# Altium PCB PCB2 - Copy.PcbDoc
Units mm, origin at the board's own origin, x right, y up, seen from the top; angles counter-clockwise.
Board outline 256.79 x 186.69 mm, 2 copper layers (Top Layer, Bottom Layer); 119 components, 100 nets, 416 pads, 0 vias.
Unrouted connection lines stored in the file: 9.
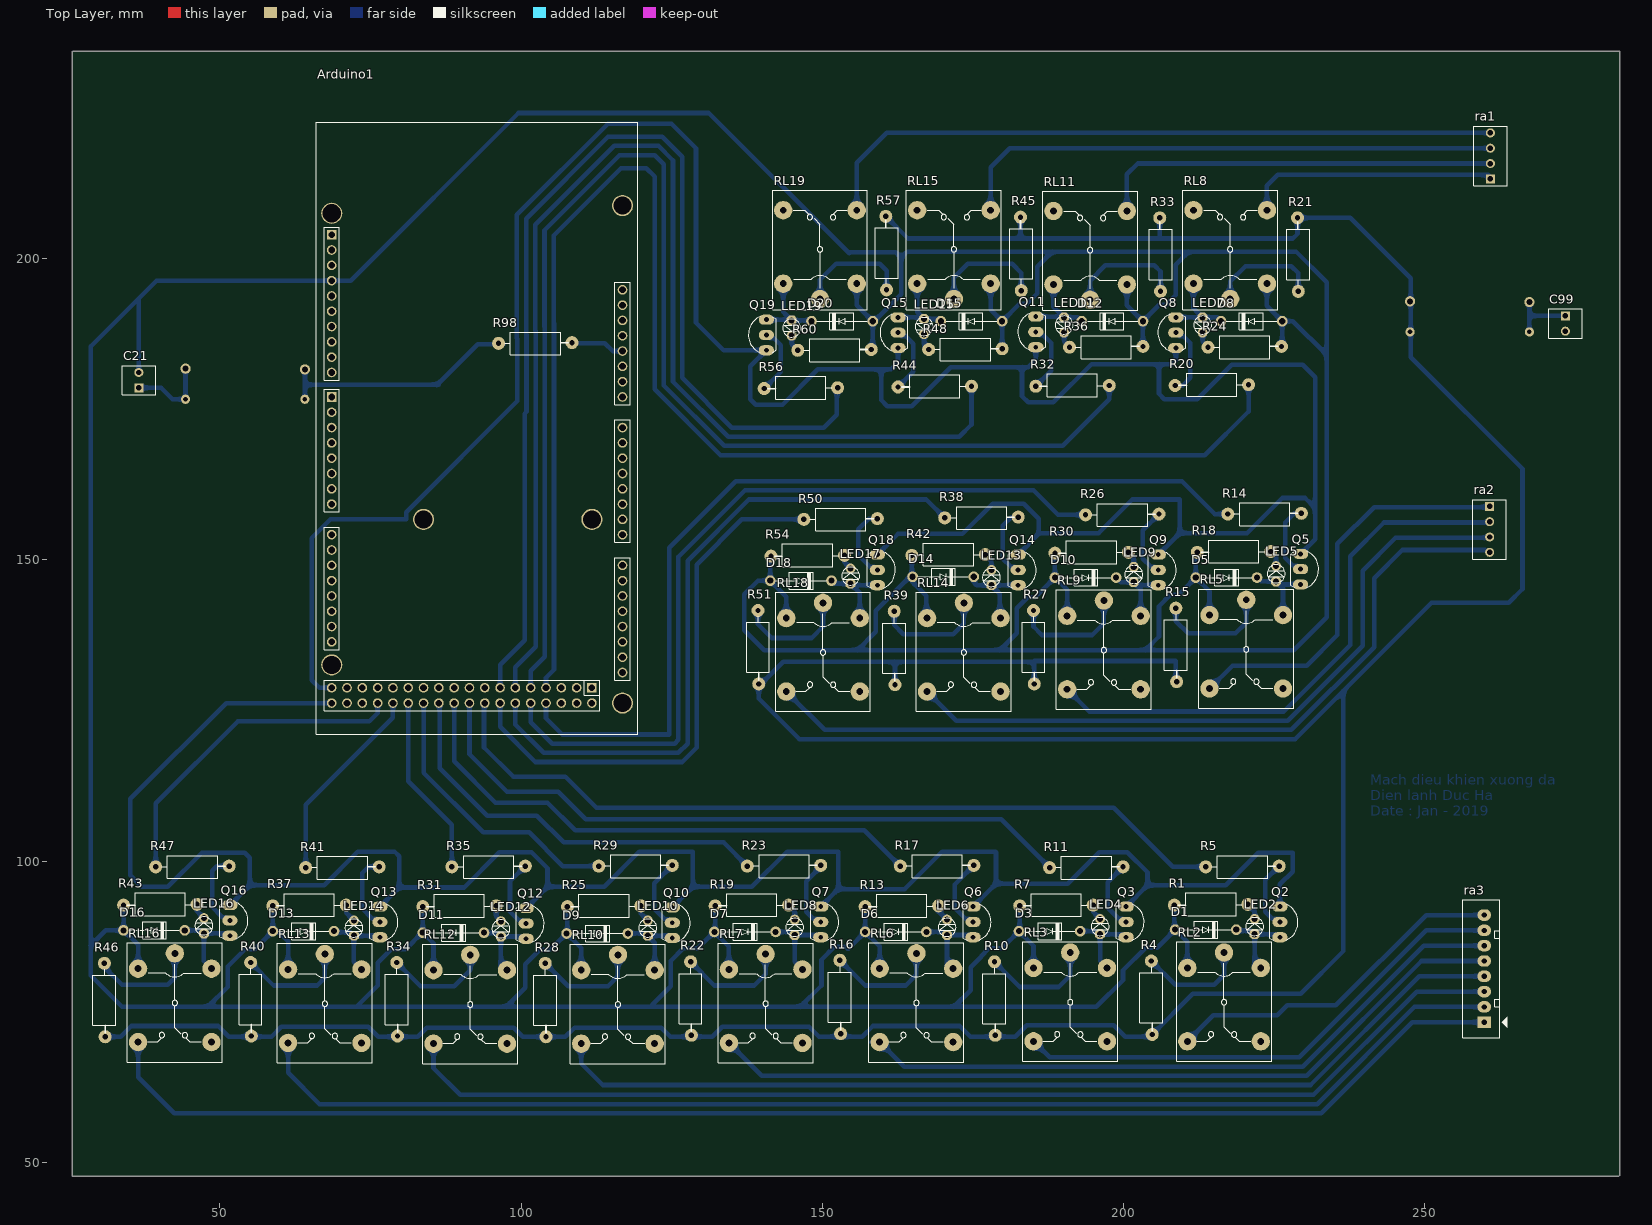
[diagram p0: Top Layer view]
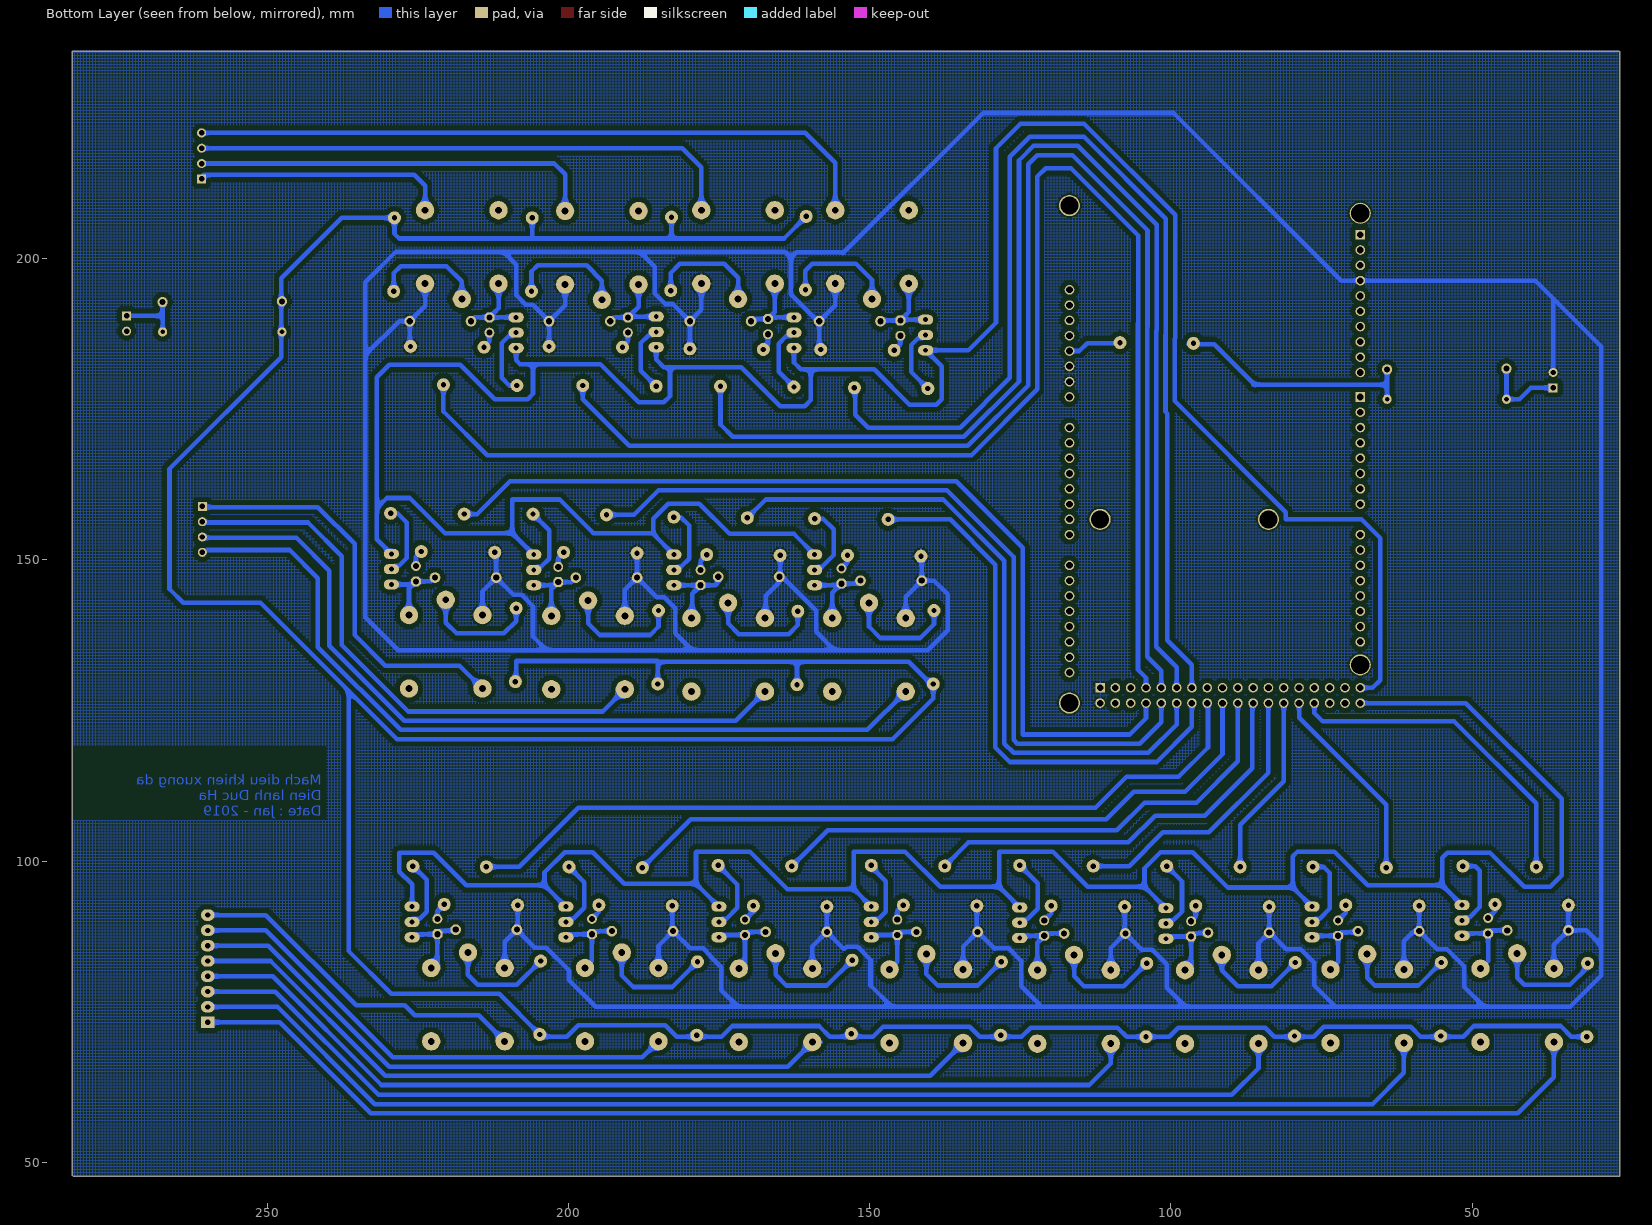
[diagram p1: Bottom Layer view, seen from below]

## Layer stack, top to bottom
Top Solder: solder mask 0.0102, Solder Resist, Dk 3.5
Top Layer: signal copper 0.0356
Dielectric 1: dielectric 0.32, FR-4, Dk 4.8
Bottom Layer: signal copper 0.0356
Bottom Solder: solder mask 0.0102, Solder Resist, Dk 3.5

## Board outline
25.527,47.752 282.194,47.752 282.321,47.879 282.321,234.442 25.654,234.442 25.527,234.315

## Design rules (kind name [scope] priority, off if disabled: settings)
Clearance [All] p1: gap=0.762 ignorepadtopadclearanceinfootprint=FALSE
PolygonConnect [All] p1: connectstyle=Relief reliefconductorwidth=0.254 reliefentries=4 polygonreliefangle="90 Angle" airgapwidth=0.254
RoomDefinition Sheet2 [InComponentClass('Sheet2')] p1: confinementstyle=ConfineIn formatcopy=TRUE lockcomponents=FALSE outline 0,0 50.8,0 50.8,25.4 0,25.4
RoutingLayers [All] p1: top layer_v5=FALSE bottom layer_v5=TRUE
RoutingVias [All] p1: holewidth=0.762 width=2.032 viastyle="Through Hole" minholewidth=0.762 minwidth=2.032 maxholewidth=0.762 maxwidth=2.032
SolderMaskExpansion [All] p1: expansion=0.102
Width [All] p1: maxlimit=0.762 minlimit=0.508 preferedwidth=0.762
29 further rules are at their usual default settings.

## Components (designator, comment, footprint, x,y, rotation, side; value= is the part's Value field where it differs from the comment)
Arduino1 "Arduino Mega2560" "Arduino MEGA2560" 93.345,173.228 r90 top value="Cau 1A"
C21 "Header2" HDR2 36.576,178.562 r90 top
C99 "Header2" HDR2 273.304,190.5 r270 top
D1 "Diode" DIO-1A 208.534,88.646 r0 top value=1N5007
D3 "Diode" DIO-1A 182.626,88.392 r0 top value=1N5007
D5 "Diode" DIO-1A 211.963,147.066 r0 top value=1N5007
D6 "Diode" DIO-1A 157.099,88.265 r0 top value=1N5007
D7 "Diode" DIO-1A 132.08,88.265 r0 top value=1N5007
D8 "Diode" DIO-1A 226.314,189.611 r180 top value=1N5007
D9 "Diode" DIO-1A 107.569,88.011 r0 top value=1N5007
D10 "Diode" DIO-1A 188.595,147.066 r0 top value=1N5007
D11 "Diode" DIO-1A 83.693,88.138 r0 top value=1N5007
D12 "Diode" DIO-1A 203.2,189.611 r180 top value=1N5007
D13 "Diode" DIO-1A 58.801,88.392 r0 top value=1N5007
D14 "Diode" DIO-1A 164.973,147.193 r0 top value=1N5007
D15 "Diode" DIO-1A 179.832,189.611 r180 top value=1N5007
D16 "Diode" DIO-1A 34.036,88.519 r0 top value=1N5007
D18 "Diode" DIO-1A 141.351,146.558 r0 top value=1N5007
D20 "Diode" DIO-1A 158.369,189.611 r180 top value=1N5007
LED2 "LED" LED-3MM-YELLOW 221.742,87.884 r90 top value="LED 3 ly Single Colour"
LED4 "LED" LED-3MM-YELLOW 196.088,87.884 r90 top value="LED 3 ly Single Colour"
LED5 "LED" LED-3MM-YELLOW 225.298,146.431 r90 top value="LED 3 ly Single Colour"
LED6 "LED" LED-3MM-YELLOW 170.688,87.757 r90 top value="LED 3 ly Single Colour"
LED7 "LED" LED-3MM-YELLOW 213.106,190.246 r270 top value="LED 3 ly Single Colour"
LED8 "LED" LED-3MM-YELLOW 145.415,87.757 r90 top value="LED 3 ly Single Colour"
LED9 "LED" LED-3MM-YELLOW 201.676,146.304 r90 top value="LED 3 ly Single Colour"
LED10 "LED" LED-3MM-YELLOW 121.031,87.63 r90 top value="LED 3 ly Single Colour"
LED11 "LED" LED-3MM-YELLOW 190.119,190.246 r270 top value="LED 3 ly Single Colour"
LED12 "LED" LED-3MM-YELLOW 96.647,87.503 r90 top value="LED 3 ly Single Colour"
LED13 "LED" LED-3MM-YELLOW 178.054,145.796 r90 top value="LED 3 ly Single Colour"
LED14 "LED" LED-3MM-YELLOW 72.263,87.63 r90 top value="LED 3 ly Single Colour"
LED15 "LED" LED-3MM-YELLOW 166.878,189.992 r270 top value="LED 3 ly Single Colour"
LED16 "LED" LED-3MM-YELLOW 47.371,88.011 r90 top value="LED 3 ly Single Colour"
LED17 "LED" LED-3MM-YELLOW 154.686,146.05 r90 top value="LED 3 ly Single Colour"
LED19 "LED" LED-3MM-YELLOW 144.907,189.738 r270 top value="LED 3 ly Single Colour"
Q2 "2N3906" TO92-123 225.933,89.916 r270 top value=A1015
Q3 "2N3906" TO92-123 200.406,89.916 r270 top value=A1015
Q5 "2N3906" TO92-123 229.362,148.463 r270 top value=A1015
Q6 "2N3906" TO92-123 175.006,89.916 r270 top value=A1015
Q7 "2N3906" TO92-123 149.733,89.916 r270 top value=A1015
Q8 "2N3906" TO92-123 208.661,187.706 r90 top value=A1015
Q9 "2N3906" TO92-123 205.74,148.336 r270 top value=A1015
Q10 "2N3906" TO92-123 125.095,89.789 r270 top value=A1015
Q11 "2N3906" TO92-123 185.42,187.833 r90 top value=A1015
Q12 "2N3906" TO92-123 100.838,89.662 r270 top value=A1015
Q13 "2N3906" TO92-123 76.581,89.916 r270 top value=A1015
Q14 "2N3906" TO92-123 182.499,148.336 r270 top value=A1015
Q15 "2N3906" TO92-123 162.56,187.706 r90 top value=A1015
Q16 "2N3906" TO92-123 51.689,90.17 r270 top value=A1015
Q18 "2N3906" TO92-123 159.131,148.336 r270 top value=A1015
Q19 "2N3906" TO92-123 140.716,187.325 r90 top value=A1015
R1 "Res" RES-1/2W 213.995,92.837 r0 top
R4 "Cau chi" RES-1/2W 204.597,76.835 r90 top
R5 "Res" RES-1/2W 220.218,99.06 r180 top
R7 "Res" RES-1/2W 188.341,92.71 r0 top
R10 "Cau chi" RES-1/2W 178.562,76.708 r90 top
R11 "Res" RES-1/2W 194.31,98.933 r180 top
R13 "Res" RES-1/2W 162.687,92.583 r0 top
R14 "Res" RES-1/2W 223.901,157.607 r180 top
R15 "Cau chi" RES-1/2W 208.661,135.382 r90 top
R16 "Cau chi" RES-1/2W 152.908,76.962 r90 top
R17 "Res" RES-1/2W 169.545,99.187 r180 top
R18 "Res" RES-1/2W 217.805,151.384 r0 top
R19 "Res" RES-1/2W 137.795,92.71 r0 top
R20 "Res" RES-1/2W 214.122,179.07 r0 top
R21 "Cau chi" RES-1/2W 228.981,201.168 r270 top
R22 "Cau chi" RES-1/2W 128.143,76.708 r90 top
R23 "Res" RES-1/2W 144.145,99.187 r180 top
R24 "Res" RES-1/2W 220.599,185.293 r180 top
R25 "Res" RES-1/2W 113.284,92.583 r0 top
R26 "Res" RES-1/2W 200.279,157.48 r180 top
R27 "Cau chi" RES-1/2W 185.039,135.001 r90 top
R28 "Cau chi" RES-1/2W 104.013,76.454 r90 top
R29 "Res" RES-1/2W 119.507,99.187 r180 top
R30 "Res" RES-1/2W 194.183,151.257 r0 top
R31 "Res" RES-1/2W 89.281,92.583 r0 top
R32 "Res" RES-1/2W 191.008,178.943 r0 top
R33 "Cau chi" RES-1/2W 206.121,201.168 r270 top
R34 "Cau chi" RES-1/2W 79.375,76.581 r90 top
R35 "Res" RES-1/2W 95.123,99.06 r180 top
R36 "Res" RES-1/2W 197.612,185.293 r180 top
R37 "Res" RES-1/2W 64.389,92.71 r0 top
R38 "Res" RES-1/2W 176.911,156.972 r180 top
R39 "Cau chi" RES-1/2W 161.925,134.874 r90 top
R40 "Cau chi" RES-1/2W 55.118,76.581 r90 top
R41 "Res" RES-1/2W 70.866,98.933 r180 top
R42 "Res" RES-1/2W 170.434,150.876 r0 top
R43 "Res" RES-1/2W 39.624,92.837 r0 top
R44 "Res" RES-1/2W 168.148,178.816 r0 top
R45 "Cau chi" RES-1/2W 183.007,201.295 r270 top
R46 "Cau chi" RES-1/2W 30.861,76.454 r90 top
R47 "Res" RES-1/2W 45.974,99.06 r180 top
R48 "Res" RES-1/2W 174.244,184.912 r180 top
R50 "Res" RES-1/2W 153.543,156.718 r180 top
R51 "Cau chi" RES-1/2W 139.319,135.001 r90 top
R54 "Res" RES-1/2W 147.066,150.749 r0 top
R56 "Res" RES-1/2W 145.923,178.562 r0 top
R57 "Cau chi" RES-1/2W 160.655,201.422 r270 top
R60 "Res" RES-1/2W 152.527,184.785 r180 top
R98 "Res" RES-1/2W 102.87,185.928 r180 top
ra1 "Header4" HDR4 260.858,213.233 r90 top
ra2 "Header4" HDR4 260.731,158.877 r270 top
ra3 "JP8" Header8 259.842,73.279 r90 top value="Connector 8"
RL2 "Relay 10A/12V" "RELAY 5" 216.662,76.581 r270 top value="Relay SPDT, 10A, 12V"
RL3 "Relay 10A/12V" "RELAY 5" 191.135,76.581 r270 top value="Relay SPDT, 10A, 12V"
RL5 "Relay 10A/12V" "RELAY 5" 220.345,135.128 r270 top value="Relay SPDT, 10A, 12V"
RL6 "Relay 10A/12V" "RELAY 5" 165.608,76.454 r270 top value="Relay SPDT, 10A, 12V"
RL7 "Relay 10A/12V" "RELAY 5" 140.589,76.327 r270 top value="Relay SPDT, 10A, 12V"
RL8 "Relay 10A/12V" "RELAY 5" 217.678,201.549 r90 top value="Relay SPDT, 10A, 12V"
RL9 "Relay 10A/12V" "RELAY 5" 196.723,135.001 r270 top value="Relay SPDT, 10A, 12V"
RL10 "Relay 10A/12V" "RELAY 5" 116.078,76.2 r270 top value="Relay SPDT, 10A, 12V"
RL11 "Relay 10A/12V" "RELAY 5" 194.437,201.422 r90 top value="Relay SPDT, 10A, 12V"
RL12 "Relay 10A/12V" "RELAY 5" 91.567,76.2 r270 top value="Relay SPDT, 10A, 12V"
RL13 "Relay 10A/12V" "RELAY 5" 67.437,76.327 r270 top value="Relay SPDT, 10A, 12V"
RL14 "Relay 10A/12V" "RELAY 5" 173.482,134.62 r270 top value="Relay SPDT, 10A, 12V"
RL15 "Relay 10A/12V" "RELAY 5" 171.831,201.549 r90 top value="Relay SPDT, 10A, 12V"
RL16 "Relay 10A/12V" "RELAY 5" 42.545,76.454 r270 top value="Relay SPDT, 10A, 12V"
RL18 "Relay 10A/12V" "RELAY 5" 150.114,134.62 r270 top value="Relay SPDT, 10A, 12V"
RL19 "Relay 10A/12V" "RELAY 5" 149.606,201.549 r90 top value="Relay SPDT, 10A, 12V"

## Footprints (in the part's own frame and the unit in brackets; to place one, negate y for a bottom-side part, rotate by r counter-clockwise, add the part's x,y. Pads: shape width x height; smd on the part's side, far side on the other; paste and mask are expansions set on the pad)
"Arduino MEGA2560" [mm]
  round 1.6 hole 1.1: 0-RX(-13.97,24.765) 1-TX(-11.43,24.765) 2(-8.89,24.765) 3V3(13.97,-23.495) 4(-3.81,24.765) 5V(-46.99,24.765) 5V(-44.45,24.765) 5V(11.43,-23.495) 8(7.874,24.765) 12(18.034,24.765) 13(20.574,24.765) 14(-19.05,24.765) 15(-21.59,24.765) 16(-24.13,24.765) 17(-26.67,24.765) 18(-29.21,24.765) 19(-31.75,24.765) 20(-34.29,24.765) 21(-36.83,24.765) 22(-44.45,22.225) 23(-46.99,22.225) 24(-44.45,19.685) 25(-46.99,19.685) 26(-44.45,17.145) 27(-46.99,17.145) 28(-44.45,14.605) 29(-46.99,14.605) 30(-44.45,12.065) 31(-46.99,12.065) 32(-44.45,9.525) 33(-46.99,9.525) 34(-44.45,6.985) 35(-46.99,6.985) 36(-44.45,4.445) 37(-46.99,4.445) 38(-44.45,1.905) 39(-46.99,1.905) 40(-44.45,-0.635) 41(-46.99,-0.635) 42(-44.45,-3.175) 43(-46.99,-3.175) 44(-44.45,-5.715) 45(-46.99,-5.715) 46(-44.45,-8.255) 47(-46.99,-8.255) 48(-44.45,-10.795) 49(-46.99,-10.795) 50(-44.45,-13.335) 51(-46.99,-13.335) 52(-44.45,-15.875) 53(-46.99,-15.875) A0(-1.27,-23.495) A1(-3.81,-23.495) A2(-6.35,-23.495) A3(-8.89,-23.495) A4(-11.43,-23.495) A5(-13.97,-23.495) A6(-16.51,-23.495) A7(-19.05,-23.495) A8(-24.13,-23.495) A9(-26.67,-23.495) A10(-29.21,-23.495) A11(-31.75,-23.495) A12(-34.29,-23.495) A13(-36.83,-23.495) A14(-39.37,-23.495) A15(-41.91,-23.495) AREF(25.654,24.765) GND(-46.99,-18.415) GND(6.35,-23.495) GND(8.89,-23.495) GND(23.114,24.765) IOREF(19.05,-23.495) RESET(16.51,-23.495) SDA(28.194,24.765) Vin(3.81,-23.495) ~3(-6.35,24.765) ~5(-1.27,24.765) ~6(1.27,24.765) ~9(10.414,24.765) ~10(12.954,24.765) ~11(15.494,24.765) ""(21.59,-23.495)
  rect 1.6x1.6 hole 1.1: 7(3.81,24.765) GND(-44.45,-18.415) SCL(30.734,24.765)
  round 3.5 hole 3: GND(-46.99,-23.495) GND(-40.64,24.765) GND(-16.51,-18.415) GND(-16.51,9.525) GND(34.29,24.765) GND(35.56,-23.495)
  round 0 all layers, no hole: ""(-46.99,-23.495) ""(-40.64,24.765) ""(-16.51,-18.415) ""(-16.51,9.525) ""(34.29,24.765) ""(35.56,-23.495)
  silkscreen extent -52.2,-26.04 49.4,27.31, body extent -52.07,-26.03 55.88,27.31, height 15.2
DIO-1A [mil]
  round 70 hole 40: 1(0,0) 2(400,0)
  silkscreen extent 35,-55 365,55, body extent -11,-50 411,54, height 102
HDR2 [mm] "Connector; Header; 2 Position"
  rect 1.5x1.5 hole 0.9: 1(0,0)
  round 1.5 hole 0.9: 2(2.54,0)
  silkscreen extent -1.14,-2.79 3.68,2.77, body extent -1.27,-2.92 3.81,2.88, height 11.72
HDR4 [mm] "Connector; Header; 4 Position"
  rect 1.5x1.5 hole 0.9: 1(0,0)
  round 1.5 hole 0.9: 2(2.54,0) 3(5.08,0) 4(7.62,0)
  silkscreen extent -1.14,-2.79 8.76,2.74, body extent -1.27,-2.92 8.89,2.88, height 11.72
Header8 [mil] "CON8"
  rect 75x90 hole 34: 1(0,0)
  oval 75x90 hole 34: 2(100,0) 3(200,0) 4(300,0) 5(400,0) 6(500,0) 7(600,0) 8(700,0)
  silkscreen extent -100,-150 800,140
LED-3MM-YELLOW [mil]
  oct 65x65 hole 40: 1(0,0)
  round 65 hole 40: 2(100,0)
  silkscreen extent -9,-59 109,59, body extent -27,-77 117,80, height 181
"RELAY 5" [mil] "Reley DPDT, 8 pin, 1A, W400mil, L800mil,H 300mil"
  round 120 hole 45: 1(-325,0) 2(255,240) 3(255,-240) 4(-225,-240) 5(-225,240)
  silkscreen extent -395,-310 385,310, body extent -371,-304 381,306, height 602
RES-1/2W [mil]
  round 85 hole 35: 1(-220,-5) 2(260,0)
  silkscreen extent -195,-74 221,75, body extent -230,-60 270,56, height 121
TO92-123 [mil] "TO-92"
  oval 66x100 hole 32: 1(-100,0) 2(0,0) 3(100,0)
  silkscreen extent -117,-65 120,118, body extent -109,-66 109,95, height 245

## Part data
Arduino1: "Arduino MEGA2560", ="Cau 5A"
C21 C99: "Header IDC, 2 x 1 Pin Vertical 2.54mm Pitch (Non-Boxed, Male)", Manufacturer="Würth Elektronik eiSos GmbH", partNo=613002143121, ComponentLink1 Description=Manufacturer, ComponentLink1URL=http://www.we-online.com, ComponentLink2 Description=Datasheet, ComponentLink2URL=http://katalog.we-online.de/em/datasheet/6130xx143121.pdf, Created by="Karrer Zheng", Created Date="29 March 2013", NoPins=02
D1 D3 D5 D6 D7 D8 D9 D10 D11 D12 D13 D14 D15 D16 D18 D20: "Default Diode", Code - JEDEC=DO-214-AB, Published=8-Jun-2000, Publisher="Altium Limited", Revision="July-2002: Re-released for DXP Platform."
LED2 LED4 LED5 LED6 LED7 LED8 LED9 LED10 LED11 LED12 LED13 LED14 LED15 LED16 LED17 LED19: "LED Single colour Green and Red"
Q2 Q3 Q5 Q6 Q7 Q8 Q9 Q10 Q11 Q12 Q13 Q14 Q15 Q16 Q18 Q19: "PNP 600mW, ECB", =A1013
R1 R5 R7 R11 R13 R14 R17 R18 R19 R20 R23 R24 R25 R26 R29 R30 R31 R32 R35 R36 R37 R38 R41 R42 R43 R44 R47 R48 R50 R54 R56 R60 R98: Manufacturer="Generic Components", Class=Passive, Published=08/06/2000, Publisher="Altium Hobart Technology Centre", SubClass=R
R4 R10 R15 R16 R21 R22 R27 R28 R33 R34 R39 R40 R45 R46 R51 R57: library part Res, "Res", Manufacturer="Generic Components", Class=Passive, Published=08/06/2000, Publisher="Altium Hobart Technology Centre", SubClass=R
ra1 ra2: "Header IDC, 4 x 1 Pin Vertical 2.54mm Pitch (Non-Boxed, Male)", Manufacturer="Würth Elektronik eiSos GmbH", partNo=613002143121, ComponentLink1 Description=Manufacturer, ComponentLink1URL=http://www.we-online.com, ComponentLink2 Description=Datasheet, ComponentLink2URL=http://katalog.we-online.de/em/datasheet/6130xx143121.pdf, Created by="Karrer Zheng", Created Date="29 March 2013", NoPins=02
ra3: library part Header8, "Connector 8"
RL2 RL3 RL5 RL6 RL7 RL8 RL9 RL10 RL11 RL12 RL13 RL14 RL15 RL16 RL18 RL19: library part "Relay 5", "Relay SPDT,10A - 12VDC 5 Pin", ="Relay SPDT, 10A, 24V"

## Free pads (board coordinates)
  round 1.7 hole 1: 2(44.323,181.737) 2(64.135,181.61) 2(247.523,192.913) 2(267.335,192.786)
  round 1.524 hole 0.762: 3(44.323,176.657) 3(64.135,176.657) 3(247.523,187.833) 3(267.335,187.833)

## Nets (pads, with @x,y where several pads share a name; then routed paths per layer and width w, separated by ;. In a path a pad name is that pad's centre, name@x,y a point inside that pad or via, vN(x,y) a via of type N, cw(c..) or ccw(c..) an arc to the next point about the centre after c; other vN are vias at no path point)
GND: Arduino1.GND C21.2 D1.1 D3.1 D5.1 D6.1 D7.1 D8.1 D9.1 D10.1 D11.1 D12.1 D13.1 D14.1 D15.1 D16.1 D18.1 D20.1 R1.1 R7.1 R13.1 R18.1 R19.1 R24.1 R25.1 R30.1 R31.1 R36.1 R37.1 R42.1 R43.1 R48.1 R54.1 R60.1 RL2.4 RL3.4 RL5.4 RL6.4 RL7.4 RL8.4 RL9.4 RL10.4 RL11.4 RL12.4 RL13.4 RL14.4 RL15.4 RL16.4 RL18.4 RL19.4 | length 1108.8
  Bottom Layer w0.762: R43.1 D16.1 ; RL16.4 36.449,86.106 D16.1 ; C21.2 36.576,193.294 36.512,193.357 ; R37.1 D13.1 ; RL13.4 61.341,86.741 59.69,88.392 D13.1 ; R31.1 D11.1 ; RL12.4 85.471,86.36 D11.1 ; R25.1 107.696,88.138 D9.1 ; RL10.4 109.982,85.598 D9.1 ; Arduino1.GND@116.84,182.118 Arduino1.GND@117.094,182.372 ; R19.1 132.207,88.392 D7.1 ; RL7.4 134.493,85.852 D7.1 ; R54.1@141.478,150.876 141.351,150.749 D18.1 ; RL18.4 144.018,143.891 D18.1 ; RL19.4 155.702,192.278 D20.1 ; R13.1 D6.1 ; R60.1 158.369,185.166 D20.1 ; RL6.4 159.512,85.852 D6.1 ; R42.1 D14.1@164.846,147.193 ; D14.1 D14.1@164.846,147.193 ; RL14.4@167.259,140.335 167.259,144.018 164.846,146.431 D14.1@164.846,147.193 ; RL15.4 177.927,191.516 D15.1 ; R48.1 D15.1 ; R7.1 182.753,88.519 D3.1 ; RL3.4 185.039,85.979 D3.1 ; R30.1 D10.1 ; RL9.4 190.627,145.034 D10.1 ; RL11.4 200.533,192.278 D12.1 ; R36.1 D12.1 ; R1.1 208.407,88.773 D1.1 ; RL2.4 210.566,86.614 D1.1 ; R18.1 211.963,151.003 D5.1 ; RL5.4 214.249,144.78 D5.1 ; RL8.4 223.774,192.151 D8.1 ; R24.1 226.314,185.547 D8.1 ; 28.575,85.979 28.575,81.026 33.782,75.819 48.006,75.819 ; 28.575,85.979 31.115,88.519 D16.1 ; 28.575,85.979 28.575,185.42 36.512,193.357 ; 36.512,193.357 39.497,196.342 68.58,196.342 71.755,196.342 99.568,224.155 131.153,224.155 154.432,200.876 154.432,201.041 162.179,201.041 163.068,200.152 ; 48.006,75.819 51.308,79.121 51.308,82.518 54.197,85.407 55.816,85.407 D13.1 ; 48.006,75.819 73.025,75.819 ; 73.025,75.819 73.025,76.2 76.2,79.375 76.2,83.153 78.454,85.407 80.835,85.407 83.566,88.138 D11.1 ; 73.025,75.819 97.536,75.819 ; 97.536,75.819 100.711,78.994 100.711,82.899 103.092,85.281 104.838,85.281 D9.1 ; 97.536,75.819 121.793,75.819 ; 121.793,75.819 121.793,76.2 124.841,79.248 124.841,83.439 126.936,85.534 129.064,85.534 129.143,85.455 129.27,85.455 D7.1 ; 121.793,75.819 146.304,75.819 ; D18.1 139.319,146.558 137.033,144.272 137.033,138.303 140.335,135.001 155.829,135.001 ; 146.304,75.819 149.86,79.375 149.86,83.661 151.987,85.788 153.829,85.788 154.099,85.519 154.353,85.519 D6.1 ; 146.304,75.819 171.831,75.819 ; 155.829,135.001 158.877,138.049 158.877,141.573 164.497,147.193 D14.1@164.846,147.193 ; 155.829,135.001 179.451,135.001 ; D20.1 158.591,189.611 163.068,194.088 163.068,200.152 ; 163.068,200.152 164.084,201.168 188.214,201.168 ; 171.831,75.819 174.625,78.613 174.625,82.423 176.339,84.138 176.339,84.233 177.641,85.534 179.768,85.534 D3.1 ; 171.831,75.819 195.453,75.819 199.898,80.264 199.898,81.883 203.676,85.661 205.549,85.661 D1.1 ; 179.451,135.001 182.245,137.795 182.245,141.986 184.074,143.815 184.106,143.815 184.118,143.827 185.356,143.827 D10.1 ; 179.451,135.001 203.581,135.001 ; D15.1 182.689,192.469 183.928,192.469 185.674,194.215 185.674,198.628 188.214,201.168 ; 188.214,201.168 210.82,201.168 ; D12.1 205.93,192.341 207.042,192.341 208.661,193.961 208.661,199.009 210.82,201.168 ; 203.581,135.001 205.867,137.287 205.867,142.335 207.74,144.208 209.105,144.208 D5.1 ; 203.581,135.001 228.219,135.001 233.68,140.462 233.68,184.023 ; 210.82,201.168 228.6,201.168 233.68,196.088 233.68,184.023 ; D8.1 228.092,189.611 233.68,184.023
NetArduino1_27: Arduino1.27 R47.2 | length 55.4
  Bottom Layer w0.762: R47.2 39.37,109.601 52.959,123.19 74.803,123.19 76.2,124.587 Arduino1.27 Arduino1.27@76.073,126.111
NetArduino1_29: Arduino1.29 R41.2 | length 33.3
  Bottom Layer w0.762: R41.2 64.262,109.347 78.74,123.825 Arduino1.29
NetArduino1_31: Arduino1.31 R35.2 | length 30.2
  Bottom Layer w0.762: Arduino1.31 81.28,113.284 88.519,106.045 R35.2
NetArduino1_33: Arduino1.33 R29.2 | length 47.1
  Bottom Layer w0.762: Arduino1.33 83.82,114.681 93.726,104.775 101.346,104.775 106.934,99.187 R29.2
NetArduino1_35: Arduino1.35 R23.2 | length 69.5
  Bottom Layer w0.762: Arduino1.35@86.233,125.895 Arduino1.35@86.423,126.086 ; R23.2 133.604,103.124 107.061,103.124 102.616,107.569 94.361,107.569 86.487,115.443 86.487,126.022 Arduino1.35@86.423,126.086 ; Arduino1.35@86.423,126.086 86.271,126.238 Arduino1.35 86.576,126.238 Arduino1.35@86.423,126.086
NetArduino1_37: Arduino1.37 R17.2 | length 90.9
  Bottom Layer w0.762: Arduino1.37 88.9,116.586 95.758,109.728 104.394,109.728 108.966,105.156 156.972,105.156 R17.2
NetArduino1_39: Arduino1.39 R11.2 | length 112.6
  Bottom Layer w0.762: Arduino1.39 91.44,117.729 97.663,111.506 106.172,111.506 110.744,106.934 179.705,106.934 R11.2
NetArduino1_41: Arduino1.41 R5.2 | length 135.4
  Bottom Layer w0.762: Arduino1.41 93.853,126.111 93.853,118.872 98.679,114.046 107.315,114.046 112.522,108.839 198.374,108.839 208.153,99.06 R5.2
NetArduino1_42: Arduino1.42 R56.2 | length 183.8
  Bottom Layer w0.762: Arduino1.42 96.52,132.588 100.584,136.652 100.584,174.248 100.901,174.565 100.901,187.353 100.838,187.416 100.838,206.629 114.427,220.218 123.433,220.218 126.746,216.905 126.746,180.202 134.99,171.958 150.241,171.958 152.4,174.117 152.4,178.435 R56.2
NetArduino1_43: Arduino1.43 R50.2 | length 91.2
  Bottom Layer w0.762: Arduino1.43 96.52,122.301 102.362,116.459 126.746,116.459 129.159,118.872 129.159,149.225 136.652,156.718 R50.2
NetArduino1_44: Arduino1.44 R44.2 | length 204.7
  Bottom Layer w0.762: Arduino1.44 99.06,132.207 102.425,135.572 102.425,187.984 102.362,188.048 102.362,205.613 115.443,218.694 122.802,218.694 125.222,216.274 125.222,179.571 134.359,170.434 172.72,170.434 174.752,172.466 R44.2
NetArduino1_45: Arduino1.45 R38.2 | length 113.2
  Bottom Layer w0.762: Arduino1.45 99.06,122.682 103.759,117.983 126.115,117.983 127.635,119.503 127.635,149.856 137.799,160.02 167.259,160.02 R38.2
NetArduino1_46: Arduino1.46 R32.2 | length 222.8
  Bottom Layer w0.762: Arduino1.46 101.6,131.572 103.95,133.921 103.95,188.615 103.886,188.679 103.886,204.724 116.332,217.17 122.17,217.17 123.698,215.642 123.698,178.939 133.727,168.91 189.865,168.91 197.612,176.657 R32.2
NetArduino1_47: Arduino1.47 R26.2 | length 133.6
  Bottom Layer w0.762: Arduino1.47 101.6,123.063 105.156,119.507 125.483,119.507 126.111,120.135 126.111,150.488 137.167,161.544 185.039,161.544 189.103,157.48 R26.2
NetArduino1_48: Arduino1.48 R20.2 | length 243.7
  Bottom Layer w0.762: Arduino1.48 104.14,130.429 105.474,131.762 105.474,189.247 105.41,189.31 105.41,203.835 116.586,215.011 120.777,215.011 122.174,213.614 122.174,178.308 133.096,167.386 213.487,167.386 220.726,174.625 R20.2 R20.2@220.472,179.07
NetArduino1_49: Arduino1.49 R14.2 | length 154.6
  Bottom Layer w0.762: Arduino1.49 104.14,123.698 106.807,121.031 124.587,121.031 124.587,152.019 135.636,163.068 209.677,163.068 215.138,157.607 R14.2
NetC21_1: C21.1 R98.1 | length 3.7
  Bottom Layer w0.762: C21.1 40.259,178.562
NetD1_2: D1.2 LED2.1 Q2.3 RL2.5 | length 13.9
  Bottom Layer w0.762: D1.2 218.694,88.456 221.171,88.456 LED2.1 ; RL2.5 221.742,83.312 LED2.1 ; Q2.3 225.425,87.884 LED2.1
NetD3_2: D3.2 LED4.1 Q3.3 RL3.5 | length 14.1
  Bottom Layer w0.762: D3.2 195.58,88.392 LED4.1 ; RL3.5 196.088,83.439 LED4.1 ; Q3.3 199.898,87.884 LED4.1
NetD5_2: D5.2 LED5.1 Q5.3 RL5.5 | length 13.1
  Bottom Layer w0.762: D5.2 222.758,146.431 LED5.1 LED5.1@225.806,145.923 ; RL5.5 226.441,145.288 LED5.1@225.806,145.923 ; Q5.3 LED5.1@225.806,145.923
NetD6_2: D6.2 LED6.1 Q6.3 RL6.5 | length 14.1
  Bottom Layer w0.762: D6.2 170.18,88.265 LED6.1 ; RL6.5 170.688,83.185 LED6.1 ; Q6.3 174.625,87.757 LED6.1
NetD7_2: D7.2 LED8.1 Q7.3 RL7.5 | length 14.1
  Bottom Layer w0.762: D7.2 144.907,88.265 LED8.1 ; RL7.5 145.415,83.312 LED8.1 ; Q7.3 149.352,87.757 LED8.1
NetD8_2: D8.2 LED7.1 Q8.3 RL8.5 | length 14
  Bottom Layer w0.762: Q8.3 LED7.1 ; RL8.5 211.582,191.77 LED7.1 ; D8.2 215.519,190.246 LED7.1
NetD9_2: D9.2 LED10.1 Q10.3 RL10.5 | length 13.9
  Bottom Layer w0.762: D9.2 120.65,88.011 LED10.1 ; RL10.5 122.174,86.487 LED10.1 ; Q10.3 124.714,87.63 LED10.1
NetD10_2: D10.2 LED9.1 Q9.3 RL9.5 | length 12.9
  Bottom Layer w0.762: D10.2 199.517,146.304 LED9.1 LED9.1@202.184,145.796 ; RL9.5 202.819,145.161 LED9.1@202.184,145.796 ; Q9.3 LED9.1@202.184,145.796
NetD11_2: D11.2 LED12.1 Q12.3 RL12.5 | length 13.5
  Bottom Layer w0.762: D11.2 93.853,88.075 96.075,88.075 LED12.1 ; RL12.5 96.647,82.931 LED12.1 ; Q12.3 100.457,87.503 LED12.1
NetD12_2: D12.2 LED11.1 Q11.3 RL11.5 | length 14
  Bottom Layer w0.762: Q11.3 LED11.1@189.992,190.373 ; RL11.5 188.341,192.024 LED11.1@189.992,190.373 ; D12.2 192.405,190.246 LED11.1 LED11.1@189.992,190.373
NetD13_2: D13.2 LED14.1 Q13.3 RL13.5 | length 14.3
  Bottom Layer w0.762: D13.2 68.961,88.201 71.691,88.201 LED14.1 ; RL13.5 72.263,83.312 LED14.1 ; Q13.3 76.327,87.63 LED14.1
NetD14_2: D14.2 LED13.1 Q14.3 RL14.5 | length 13.8
  Bottom Layer w0.762: D14.2@175.006,146.431 175.641,145.796 LED13.1 ; RL14.5@179.451,140.335 179.451,144.399 LED13.1 ; Q14.3 LED13.1
NetD15_2: D15.2 LED15.1 Q15.3 RL15.5 | length 13.3
  Bottom Layer w0.762: Q15.3 LED15.1@166.624,190.246 ; RL15.5 165.735,191.135 LED15.1@166.624,190.246 ; D15.2 169.291,189.992 LED15.1 LED15.1@166.624,190.246
NetD16_2: D16.2 LED16.1 Q16.3 RL16.5 | length 14.2
  Bottom Layer w0.762: D16.2 46.863,88.519 LED16.1 ; RL16.5 47.371,83.439 LED16.1 ; Q16.3 51.308,88.011 LED16.1
NetD18_2: D18.2 LED17.1 Q18.3 RL18.5 | length 13.9
  Bottom Layer w0.762: D18.2 152.019,146.05 LED17.1 LED17.1@154.94,145.796 ; RL18.5 156.21,144.526 LED17.1@154.94,145.796 ; Q18.3 LED17.1@154.94,145.796
NetD20_2: D20.2 LED19.1 Q19.3 RL19.5 | length 14.1
  Bottom Layer w0.762: Q19.3 LED19.1@144.78,189.865 ; RL19.5 143.51,191.135 LED19.1@144.78,189.865 ; D20.2 148.082,189.738 LED19.1 LED19.1@144.78,189.865
NetLED2_2: LED2.2 R1.2 | length 2.9
  Bottom Layer w0.762: R1.2 221.742,91.694 LED2.2
NetLED4_2: LED4.2 R7.2 | length 2.8
  Bottom Layer w0.762: R7.2 194.945,91.567 LED4.2
NetLED5_2: LED5.2 R18.2 | length 2.8
  Bottom Layer w0.762: R18.2 225.298,150.495 LED5.2
NetLED6_2: LED6.2 R13.2 | length 2.9
  Bottom Layer w0.762: R13.2 169.291,91.694 LED6.2
NetLED7_2: LED7.2 R24.2 | length 2.8
  Bottom Layer w0.762: LED7.2 213.106,186.182 R24.2
NetLED8_2: LED8.2 R19.2 | length 2.8
  Bottom Layer w0.762: R19.2 145.415,91.694 LED8.2
NetLED9_2: LED9.2 R30.2 | length 2.8
  Bottom Layer w0.762: R30.2 201.676,150.368 LED9.2
NetLED10_2: LED10.2 R25.2 | length 2.9
  Bottom Layer w0.762: R25.2 119.888,91.313 LED10.2
NetLED11_2: LED11.2 R36.2 | length 2.8
  Bottom Layer w0.762: LED11.2 190.119,186.182 R36.2
NetLED12_2: LED12.2 R31.2 | length 2.9
  Bottom Layer w0.762: R31.2 95.885,90.805 LED12.2
NetLED13_2: LED13.2 R42.2 | length 3
  Bottom Layer w0.762: R42.2 178.054,149.86 LED13.2
NetLED14_2: LED14.2 R37.2 | length 3.1
  Bottom Layer w0.762: R37.2 70.993,91.44 LED14.2
NetLED15_2: LED15.2 R48.2 | length 2.9
  Bottom Layer w0.762: LED15.2 166.878,185.674 R48.2
NetLED16_2: LED16.2 R43.2 | length 2.8
  Bottom Layer w0.762: R43.2 46.228,91.694 LED16.2
NetLED17_2: LED17.2 R54.2 | length 2.8
  Bottom Layer w0.762: R54.2@153.67,151.003 R54.2 153.67,149.606 LED17.2
NetLED19_2: LED19.2 R60.2 | length 2.8
  Bottom Layer w0.762: LED19.2 144.907,185.801 R60.2
NetQ2_2: Q2.2 R5.1 | length 12
  Bottom Layer w0.762: R5.1 223.52,96.901 223.52,91.635 224.681,90.475 225.933,90.475 Q2.2
NetQ3_2: Q3.2 R11.1 | length 11.9
  Bottom Layer w0.762: R11.1 197.358,96.52 197.358,92.27 199.154,90.475 199.847,90.475 Q3.2
NetQ5_2: Q5.2 R14.1 | length 12.5
  Bottom Layer w0.762: Q5.2 228.803,149.022 228.11,149.022 226.822,150.309 226.822,156.21 228.346,157.734 R14.1
NetQ6_2: Q6.2 R17.1 | length 12.4
  Bottom Layer w0.762: Q6.2 174.447,90.475 173.754,90.475 171.958,92.27 171.958,96.139 R17.1
NetQ7_2: Q7.2 R23.1 | length 12.1
  Bottom Layer w0.762: Q7.2 149.733,90.475 148.481,90.475 147.32,91.635 147.32,96.647 149.733,99.06 R23.1
NetQ8_2: Q8.2 R20.1 | length 12
  Bottom Layer w0.762: R20.1 209.804,178.943 211.074,180.213 211.074,185.987 209.913,187.147 209.22,187.147 Q8.2
NetQ9_2: Q9.2 R26.1 | length 11.8
  Bottom Layer w0.762: Q9.2 205.181,148.895 204.488,148.895 203.2,150.182 203.2,154.94 R26.1
NetQ10_2: Q10.2 R29.1 | length 12.4
  Bottom Layer w0.762: Q10.2 124.536,90.348 123.843,90.348 122.111,92.08 122.111,96.329 R29.1
NetQ11_2: Q11.2 R32.1 | length 11.5
  Bottom Layer w0.762: R32.1 187.96,181.356 187.96,185.987 186.672,187.274 185.979,187.274 Q11.2
NetQ12_2: Q12.2 R35.1 | length 12.1
  Bottom Layer w0.762: R35.1 98.171,96.647 98.171,91.635 99.586,90.221 100.279,90.221 Q12.2
NetQ13_2: Q13.2 R41.1 | length 13
  Bottom Layer w0.762: R41.1 74.676,99.06 73.66,98.044 73.66,92.143 75.329,90.475 76.022,90.475 Q13.2
NetQ14_2: Q14.2 R38.1 | length 11.9
  Bottom Layer w0.762: Q14.2 181.94,148.895 181.247,148.895 179.959,150.182 179.959,155.702 181.356,157.099 R38.1
NetQ15_2: Q15.2 R44.1 | length 11.5
  Bottom Layer w0.762: R44.1 165.1,181.229 165.1,185.86 163.812,187.147 163.119,187.147 Q15.2
NetQ16_2: Q16.2 R47.1 | length 13
  Bottom Layer w0.762: R47.1 49.53,99.187 48.768,98.425 48.768,92.397 50.437,90.729 51.13,90.729 Q16.2
NetQ18_2: Q18.2 R50.1 | length 12.4
  Bottom Layer w0.762: Q18.2 158.572,148.895 157.879,148.895 155.956,150.817 155.956,155.067 157.734,156.845 R50.1
NetQ19_2: Q19.2 R56.1 | length 11.5
  Bottom Layer w0.762: R56.1 143.129,181.229 143.129,185.606 141.968,186.766 141.275,186.766 Q19.2
NetR4_1: pad.2@247.523,192.913 pad.3@247.523,187.833 R4.1 R10.1 R15.1 R16.1 R21.1 R22.1 R27.1 R28.1 R33.1 R34.1 R39.1 R40.1 R45.1 R46.1 R51.1 R57.1 | length 650.3
  Bottom Layer w0.762: R46.1 33.566,70.866 35.344,72.644 49.746,72.644 51.524,70.866 58.585,70.866 60.236,72.517 74.638,72.517 76.289,70.866 82.842,70.866 84.366,72.39 98.768,72.39 100.292,70.866 R28.1 107.353,70.866 108.877,72.39 123.279,72.39 124.803,70.866 131.737,70.866 133.388,72.517 147.79,72.517 149.441,70.866 156.629,70.866 158.407,72.644 172.809,72.644 174.587,70.866 182.029,70.866 183.934,72.771 198.336,72.771 200.241,70.866 204.343,70.866 R4.1 211.455,77.978 229.362,77.978 236.474,85.09 236.474,128.27 ; R51.1 R51.1@139.446,129.032 ; R57.1 164.211,203.327 182.88,203.327 ; R39.1 162.052,133.096 ; R45.1 182.88,203.327 ; R27.1@185.166,129.794 185.166,133.096 ; R33.1 205.994,203.454 205.867,203.327 ; R15.1 208.661,129.921 208.661,133.223 185.166,133.223 185.166,133.096 ; R51.1@139.446,129.032 139.446,127 146.177,120.269 228.473,120.269 236.474,128.27 ; R51.1@139.446,129.032 143.51,133.096 162.052,133.096 ; 162.052,133.096 185.166,133.096 ; 182.88,203.327 205.867,203.327 ; 205.867,203.327 228.092,203.327 228.854,204.089 R21.1 237.617,206.756 247.65,196.723 247.65,183.642 266.192,165.1 266.192,145.161 263.906,142.875 251.079,142.875 236.474,128.27
NetR4_2: R4.2 RL2.1 | length 18.1
  Bottom Layer w0.762: R4.2 208.534,79.502 215.011,79.502 216.662,81.153 RL2.1
NetR10_2: R10.2 RL3.1 | length 18.9
  Bottom Layer w0.762: R10.2 182.753,79.121 189.23,79.121 191.135,81.026 RL3.1
NetR15_2: R15.2 RL5.1 | length 19.2
  Bottom Layer w0.762: R15.2 208.661,139.827 210.693,137.795 218.567,137.795 220.345,139.573 RL5.1
NetR16_2: R16.2 RL6.1 | length 18.7
  Bottom Layer w0.762: R16.2 157.099,79.375 163.83,79.375 165.608,81.153 RL6.1
NetR21_2: R21.2 RL8.1 | length 18.8
  Bottom Layer w0.762: RL8.1 217.678,196.215 220.218,198.755 227.838,198.755 228.981,197.612 R21.2
NetR22_2: R22.2 RL7.1 | length 18.2
  Bottom Layer w0.762: R22.2 132.08,79.375 138.684,79.375 140.589,81.28 RL7.1
NetR27_2: R27.2 RL9.1 | length 19.9
  Bottom Layer w0.762: R27.2@185.039,141.986 R27.2 185.039,138.938 186.436,137.541 194.818,137.541 196.723,139.446 RL9.1
NetR28_2: R28.2 RL10.1 | length 17.9
  Bottom Layer w0.762: R28.2 107.823,79.248 114.427,79.248 116.078,80.899 RL10.1
NetR33_2: R33.2 RL11.1 | length 19.6
  Bottom Layer w0.762: RL11.1 194.437,196.342 196.977,198.882 205.105,198.882 206.121,197.866 R33.2
NetR34_2: R34.2 RL12.1 | length 17.5
  Bottom Layer w0.762: R34.2 83.312,79.248 88.9,79.248 91.567,81.915 RL12.1
NetR39_2: R39.2 RL14.1 | length 18.6
  Bottom Layer w0.762: R39.2 161.925,139.192 163.449,137.668 171.704,137.668 173.482,139.446 RL14.1
NetR40_2: R40.2 RL13.1 | length 18.4
  Bottom Layer w0.762: R40.2 58.928,79.375 66.167,79.375 67.437,80.645 RL13.1
NetR45_2: R45.2 RL15.1 | length 19.2
  Bottom Layer w0.762: RL15.1 171.831,196.85 174.117,199.136 181.483,199.136 183.007,197.612 R45.2
NetR46_2: R46.2 RL16.1 | length 18.1
  Bottom Layer w0.762: R46.2 30.861,82.423 33.782,79.502 41.402,79.502 42.545,80.645 RL16.1
NetR51_2: R51.2 RL18.1 | length 18.4
  Bottom Layer w0.762: R51.2@139.319,141.224 139.319,139.319 141.605,137.033 148.209,137.033 150.114,138.938 RL18.1
NetR57_2: R57.2 RL19.1 | length 19
  Bottom Layer w0.762: RL19.1 149.606,196.469 152.273,199.136 159.512,199.136 160.655,197.993 R57.2
Netra1_1: ra1.1 RL8.3 | length 42.3
  Bottom Layer w0.762: RL8.3 223.774,212.09 225.564,213.88 260.477,213.88 260.858,213.499 ra1.1
Netra1_2: ra1.2 RL11.3 | length 67.2
  Bottom Layer w0.762: RL11.3 200.533,213.995 202.311,215.773 ra1.2
Netra1_3: ra1.3 RL15.3 | length 91.4
  Bottom Layer w0.762: RL15.3 177.927,215.138 181.102,218.313 ra1.3
Netra1_4: ra1.4 RL19.3 | length 115.1
  Bottom Layer w0.762: RL19.3 155.702,215.9 160.655,220.853 ra1.4
Netra2_1: ra2.1 RL5.3 | length 67.5
  Bottom Layer w0.762: RL5.3 218.059,132.461 230.378,132.461 235.458,137.541 235.458,152.654 241.554,158.75 ra2.1@260.477,158.75
Netra2_2: ra2.2 RL9.3 | length 93
  Bottom Layer w0.762: RL9.3 194.31,124.841 226.579,124.841 237.617,135.879 237.617,150.622 243.205,156.21 ra2.2@260.477,156.21
Netra2_3: ra2.3 RL14.3 | length 115
  Bottom Layer w0.762: RL14.3 172.212,123.317 227.21,123.317 239.649,135.756 239.649,148.209 245.11,153.67 ra2.3@260.477,153.67
Netra2_4: ra2.4 RL18.3 | length 138.4
  Bottom Layer w0.762: RL18.3 150.368,121.793 227.842,121.793 241.554,135.505 241.554,146.939 246.253,151.638 259.969,151.638 ra2.4@260.477,151.13
Netra3_1: ra3.1 RL16.3 | length 238
  Bottom Layer w0.762: RL16.3 36.449,64.135 42.418,58.166 232.769,58.166 247.882,73.279 ra3.1
Netra3_2: ra3.2 RL13.3 | length 212.3
  Bottom Layer w0.762: RL13.3 61.341,64.897 66.548,59.69 232.137,59.69 248.266,75.819 ra3.2
Netra3_3: ra3.3 RL12.3 | length 187.4
  Bottom Layer w0.762: RL12.3 85.471,65.659 89.916,61.214 231.506,61.214 248.651,78.359 ra3.3
Netra3_4: ra3.4 RL10.3 | length 162.1
  Bottom Layer w0.762: RL10.3 109.982,66.421 113.538,62.865 231.002,62.865 249.036,80.899 ra3.4
Netra3_5: ra3.5 RL7.3 | length 135.5
  Bottom Layer w0.762: RL7.3 139.954,64.389 230.371,64.389 249.421,83.439 ra3.5
Netra3_6: ra3.6 RL6.3 | length 111.7
  Bottom Layer w0.762: RL6.3@158.115,69.977 RL6.3 163.576,65.913 229.739,65.913 249.805,85.979 ra3.6
Netra3_7: ra3.7 RL3.3 | length 84.6
  Bottom Layer w0.762: RL3.3 187.706,67.437 229.108,67.437 250.19,88.519 ra3.7
Netra3_8: ra3.8 RL2.3 | length 58
  Bottom Layer w0.762: RL2.3 214.884,74.422 225.514,74.422 227.165,76.073 235.204,76.073 250.19,91.059 ra3.8
VCC: Arduino1.5V Q2.1 Q3.1 Q5.1 Q6.1 Q7.1 Q8.1 Q9.1 Q10.1 Q11.1 Q12.1 Q13.1 Q14.1 Q15.1 Q16.1 Q18.1 Q19.1 | length 811.7
  Bottom Layer w0.762: Q16.1 54.991,96.012 ; Arduino1.5V@68.58,126.238 51.054,126.238 35.179,110.363 35.179,97.663 37.084,95.758 41.402,95.758 47.053,101.409 54.165,101.409 54.991,100.584 54.991,96.012 ; Arduino1.5V@68.58,128.778 66.548,128.778 65.278,130.048 65.278,153.624 68.372,156.718 80.49,156.718 80.518,156.746 80.927,156.746 80.927,157.916 99.377,176.367 99.377,186.722 99.314,186.785 99.314,207.264 114.427,222.377 124.968,222.377 129.032,218.313 129.032,189.357 133.604,184.785 Q19.1 138.049,182.118 138.049,176.657 138.938,175.768 143.383,175.768 149.225,181.61 159.766,181.61 ; Q13.1 79.756,95.631 ; Q12.1 104.394,95.758 ; 109.347,185.928 113.919,185.928 115.189,184.658 Arduino1.5V@116.84,184.658 ; Q10.1 128.524,95.758 ; Q7.1 152.654,95.377 ; Q18.1 162.56,154.305 173.228,154.305 178.244,159.321 183.42,159.321 185.928,156.813 185.928,154.305 ; Q15.1 162.56,182.753 161.417,181.61 159.766,181.61 ; Q6.1 178.816,96.266 ; Q14.1 185.928,154.305 ; Q11.1 185.42,183.261 184.15,181.991 183.134,181.991 ; Q3.1 203.962,96.012 ; Q9.1 209.296,154.432 ; Q8.1 208.661,183.134 208.026,182.499 205.867,182.499 ; Q2.1 225.933,96.171 228.028,98.266 228.028,101.409 222.314,101.409 216.916,96.012 203.962,96.012 ; Q5.1 231.775,153.416 231.775,158.591 ; 54.991,96.012 67.31,96.012 72.898,101.6 78.994,101.6 79.756,100.838 79.756,95.631 ; 79.756,95.631 90.551,95.631 96.393,101.473 101.731,101.473 104.394,98.81 104.394,95.758 ; 104.394,95.758 113.792,95.758 119.634,101.6 128.524,101.6 128.524,95.758 ; 128.524,95.758 138.303,95.758 144.145,101.6 152.654,101.6 152.654,95.377 ; 152.654,95.377 163.703,95.377 169.862,101.536 178.752,101.536 178.816,101.473 178.816,96.266 ; 159.766,181.61 159.766,176.53 160.782,175.514 164.846,175.514 171.323,181.991 183.134,181.991 ; 178.816,96.266 190.754,96.266 195.961,101.473 200.628,101.473 203.962,98.139 203.962,96.012 ; 183.134,181.991 183.134,177.165 184.15,176.149 188.341,176.149 194.691,182.499 205.867,182.499 ; 185.928,154.305 186.055,154.432 195.834,154.432 201.422,160.02 209.296,160.02 209.296,154.432 ; 205.867,182.499 205.867,177.546 206.756,176.657 212.217,176.657 217.932,182.372 229.743,182.372 231.775,180.34 231.775,158.591 ; 209.296,154.432 220.472,154.432 226.314,160.274 230.092,160.274 231.775,158.591
pads on no net: Arduino1. Arduino1.0-RX Arduino1.1-TX Arduino1.2 Arduino1.3V3 Arduino1.4 Arduino1.7 Arduino1.8 Arduino1.12 Arduino1.13 Arduino1.14 Arduino1.15 Arduino1.16 Arduino1.17 Arduino1.18 Arduino1.19 Arduino1.20 Arduino1.21 Arduino1.22 Arduino1.23 Arduino1.24 Arduino1.25 Arduino1.26 Arduino1.28 Arduino1.30 Arduino1.32 Arduino1.34 Arduino1.36 Arduino1.38 Arduino1.40 Arduino1.50 Arduino1.51 Arduino1.52 Arduino1.53 Arduino1.A0 Arduino1.A1 Arduino1.A2 Arduino1.A3 Arduino1.A4 Arduino1.A5 Arduino1.A6 Arduino1.A7 Arduino1.A8 Arduino1.A9 Arduino1.A10 Arduino1.A11 Arduino1.A12 Arduino1.A13 Arduino1.A14 Arduino1.A15 Arduino1.AREF Arduino1.IOREF Arduino1.RESET Arduino1.SCL Arduino1.SDA Arduino1.Vin Arduino1.~3 Arduino1.~5 Arduino1.~6 Arduino1.~9 Arduino1.~10 Arduino1.~11 C99.1 C99.2 R98.2 RL2.2 RL3.2 RL5.2 RL6.2 RL7.2 RL8.2 RL9.2 RL10.2 RL11.2 RL12.2 RL13.2 RL14.2 RL15.2 RL16.2 RL18.2 RL19.2
copper on no net: | length 74.1
  Bottom Layer w0.762: 40.259,178.562 42.164,176.657 44.323,176.657 44.323,181.737 ; 64.135,176.657 64.135,177.044 64.135,181.61 64.135,178.568 ; 64.135,179.07 86.36,179.07 ; 86.017,178.981 92.837,185.801 97.155,185.801 ; 106.68,128.778 106.998,129.095 ; 142.875,208.661 143.51,208.026 ; 179.451,128.143 179.514,128.079 ; 179.578,128.143 179.959,127.762 ; 197.231,70.104 197.739,69.596 ; 202.819,128.524 203.454,127.889 ; 211.074,208.534 211.582,208.026 ; 222.758,70.104 223.139,69.723 ; 226.441,128.651 227.076,128.016 ; 267.335,187.833 267.335,188.22 267.335,192.786 267.335,189.744 ; 267.335,190.5 273.558,190.5

## Polygon pours and split planes (outlines as drawn)
GND on Bottom Layer "Bottom Layer-No Net" (hatched 90Degree grid 0.508 track 0.203, pour order 0): 25.527,234.442 25.654,234.569 282.194,234.569 282.194,48.133 281.813,47.752 281.686,47.879 25.781,47.879 25.781,234.188 26.035,234.442

## Other copper
Bottom Layer:
  text "Mach dieu khien xuong da / Dien lanh Duc Ha / Date : Jan - 2019" at 240.919,107.569 h1.7